# Altium PCB EIT_Teensy_PCBMain.PcbDoc (part 2 of 2)
Units mm, origin at the board's own origin, x right, y up, seen from the top; angles counter-clockwise.
Board outline 115 x 72 mm, 4 copper layers (Top Layer, GND Layer, PWR Layer, Bottom Layer), stack 0.603 mm thick; 122 components, 141 nets, 704 pads, 259 vias.
Unrouted connection lines stored in the file: 18.
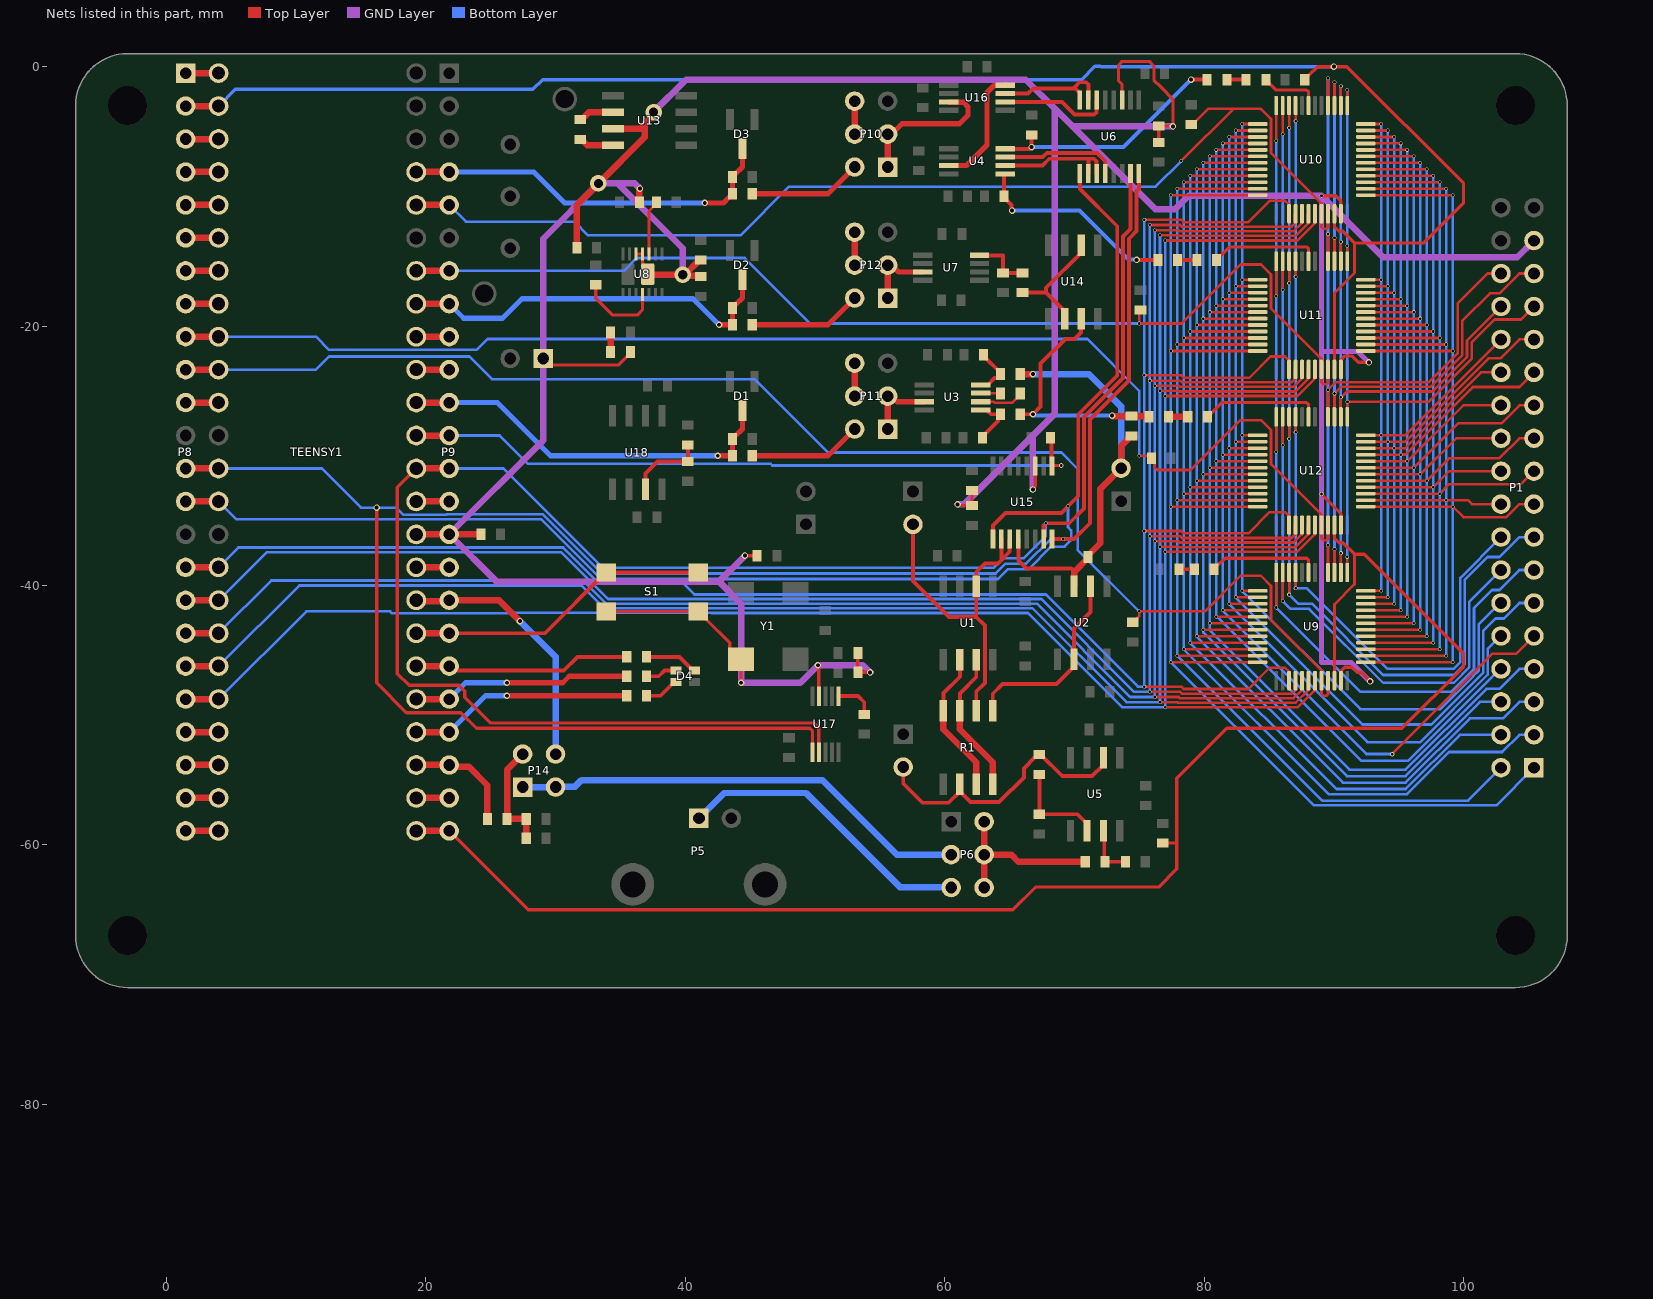
[diagram p4: the nets of this part, all layers, seen from the top]

## Via types
v1: diameter 0.28, hole 0.2, Top Layer to Bottom Layer, 106 vias
v2: diameter 0.5, hole 0.3, Top Layer to Bottom Layer, 76 vias
v3: diameter 0.28, hole 0.2, Top Layer to Bottom Layer, tented both sides, 52 vias
v4: diameter 0.35, hole 0.2, Top Layer to Bottom Layer, 14 vias
v5: diameter 1.27, hole 0.711, Top Layer to Bottom Layer, 10 vias
v6: diameter 0.35, hole 0.2, Top Layer to Bottom Layer, tented both sides, 1 vias

## Nets (pads, with @x,y where several pads share a name; then routed paths per layer and width w, separated by ;. In a path a pad name is that pad's centre, name@x,y a point inside that pad or via, vN(x,y) a via of type N, cw(c..) or ccw(c..) an arc to the next point about the centre after c; other vN are vias at no path point) (continued)
DigipotRShunt_NCS: P9.12 R3.1 TEENSY1.15 U15.9 | length 53.5
  Top Layer w0.2: U15.9@68.275,-30.781 68.306,-30.75 v4(69,-30.75)
  Top Layer w0.3: R3.1@68.248,-28.686 68.248,-30.753 U15.9@68.275,-30.781
  Top Layer w0.5: TEENSY1.15@19.26,-28.44 P9.12@21.8,-28.44
  Bottom Layer w0.2: P9.12@21.8,-28.44 25.69,-28.44 27.878,-30.628 46.588,-30.628 46.711,-30.75 v4(69,-30.75)
Electrode_1: P1.1 U9.12 U10.12 U11.12 U12.12 | length 96.6
  Top Layer w0.2: v1(77.43,-45.92) U9.12@84.13,-45.92 ; v1(77.43,-33.92) U12.12@84.13,-33.92 ; v1(77.43,-21.92) U11.12@84.13,-21.92 ; v1(77.43,-9.92) U10.12@84.13,-9.92
  Bottom Layer w0.2: v1(77.43,-9.92) v1(77.43,-21.92) v1(77.43,-33.92) v1(77.43,-45.92) 88.457,-56.947 102.533,-56.947 P1.1@105.43,-54.05
Electrode_2: P1.2 U9.11 U10.11 U11.11 U12.11 | length 91.4
  Top Layer w0.2: v1(77.93,-45.42) U9.11@84.13,-45.42 ; v1(77.93,-33.42) U12.11@84.13,-33.42 ; v1(77.93,-21.42) U11.11@84.13,-21.42 ; v1(77.93,-9.42) U10.11@84.13,-9.42
  Bottom Layer w0.2: v1(77.93,-9.42) v1(77.93,-45.42) 89.105,-56.595 100.345,-56.595 P1.2@102.89,-54.05
Electrode_3: P1.3 U9.10 U10.10 U11.10 U12.10 | length 92.3
  Top Layer w0.2: v1(78.43,-44.92) U9.10@84.13,-44.92 ; v1(78.43,-32.92) U12.10@84.13,-32.92 ; v1(78.43,-20.92) U11.10@84.13,-20.92 ; v1(78.43,-8.92) U10.10@84.13,-8.92
  Bottom Layer w0.2: v1(78.43,-8.92) v1(78.43,-44.92) 89.605,-56.095 95.642,-56.095 98.898,-52.839 102.979,-52.839 104.308,-51.51 P1.3@105.43,-51.51
Electrode_4: P1.4 U9.9 U10.9 U11.9 U12.9 | length 87.2
  Top Layer w0.2: v1(78.93,-44.42) U9.9@84.13,-44.42 ; v1(78.93,-32.42) U12.9@84.13,-32.42 ; v1(78.93,-20.42) U11.9@84.13,-20.42 ; v1(78.93,-8.42) U10.9@84.13,-8.42
  Bottom Layer w0.2: v1(78.93,-8.42) v1(78.93,-20.42) v1(78.93,-32.42) v1(78.93,-44.42) 90.205,-55.695 95.544,-55.695 99.729,-51.51 P1.4@102.89,-51.51
Electrode_5: P1.5 U9.8 U10.8 U11.8 U12.8 | length 88
  Top Layer w0.2: v1(79.43,-43.92) U9.8@84.13,-43.92 ; v1(79.43,-31.92) U12.8@84.13,-31.92 ; v1(79.43,-19.92) U11.8@84.13,-19.92 ; v1(79.43,-7.92) U10.8@84.13,-7.92
  Bottom Layer w0.2: v1(79.43,-7.92) v1(79.43,-43.92) 90.705,-55.195 95.545,-55.195 100.496,-50.244 103.033,-50.244 104.308,-48.97 P1.5@105.43,-48.97
Electrode_6: P1.6 U9.7 U10.7 U11.7 U12.7 | length 82.9
  Top Layer w0.2: v1(79.93,-43.42) U9.7@84.13,-43.42 ; v1(79.93,-31.42) U12.7@84.13,-31.42 ; v1(79.93,-19.42) U11.7@84.13,-19.42 ; v1(79.93,-7.42) U10.7@84.13,-7.42
  Bottom Layer w0.2: v1(79.93,-7.42) v1(79.93,-19.42) v1(79.93,-31.42) v1(79.93,-43.42) 79.936,-43.426 79.936,-43.636 91,-54.7 95.542,-54.7 101.272,-48.97 P1.6@102.89,-48.97
Electrode_7: P1.7 U9.6 U10.6 U11.6 U12.6 | length 84
  Top Layer w0.2: v1(80.43,-42.92) U9.6@84.13,-42.92 ; v1(80.43,-30.92) U12.6@84.13,-30.92 ; v1(80.43,-18.92) U11.6@84.13,-18.92 ; v1(80.43,-6.92) U10.6@84.13,-6.92
  Bottom Layer w0.2: v1(80.43,-6.92) v1(80.43,-18.92) v1(80.43,-30.92) 80.43,-43.434 84.763,-47.767 84.767,-47.767 91.2,-54.2 95.543,-54.2 101.776,-47.968 102.77,-47.968 104.308,-46.43 P1.7@105.43,-46.43
Electrode_8: P1.8 U9.5 U10.5 U11.5 U12.5 | length 78.3
  Top Layer w0.2: v1(80.93,-42.42) U9.5@84.13,-42.42 ; v1(80.93,-30.42) U12.5@84.13,-30.42 ; v1(80.93,-18.42) U11.5@84.13,-18.42 ; v1(80.93,-6.42) U10.5@84.13,-6.42
  Bottom Layer w0.2: v1(80.93,-6.42) v1(80.93,-42.42) 80.945,-42.435 81.035,-42.435 92.1,-53.5 95.745,-53.5 102.815,-46.43 P1.8@102.89,-46.43
Electrode_9: P1.9 U9.4 U10.4 U11.4 U12.4 | length 79.2
  Top Layer w0.2: v1(81.43,-41.92) U9.4@84.13,-41.92 ; v1(81.43,-29.92) U12.4@84.13,-29.92 ; v1(81.43,-17.92) U11.4@84.13,-17.92 ; v1(81.43,-5.92) U10.4@84.13,-5.92 ; v6(94.5,-53) 102.25,-45.25 104.07,-45.25 P1.9@105.43,-43.89
  Bottom Layer w0.2: v1(81.43,-5.92) v1(81.43,-17.92) v1(81.43,-29.92) v1(81.43,-41.92) 92.505,-52.995 94.495,-52.995 v6(94.5,-53)
Electrode_10: P1.10 U9.3 U10.3 U11.3 U12.3 | length 74.7
  Top Layer w0.2: v1(81.93,-41.42) U9.3@84.13,-41.42 ; v1(81.93,-29.42) U12.3@84.13,-29.42 ; v1(81.93,-17.42) U11.3@84.13,-17.42 ; v1(81.93,-5.42) U10.3@84.13,-5.42
  Bottom Layer w0.2: v1(81.93,-5.42) v1(81.93,-41.42) 92.59,-52.08 96.667,-52.08 101.864,-46.882 101.864,-44.916 P1.10@102.89,-43.89
Electrode_11: P1.11 U9.2 U10.2 U11.2 U12.2 | length 75.6
  Top Layer w0.2: v1(82.43,-40.92) U9.2@84.13,-40.92 ; v1(82.43,-28.92) U12.2@84.13,-28.92 ; v1(82.43,-16.92) U11.2@84.13,-16.92 ; v1(82.43,-4.92) U10.2@84.13,-4.92
  Bottom Layer w0.2: v1(82.43,-4.92) v1(82.43,-16.92) v1(82.43,-28.92) v1(82.43,-40.92) 92.23,-50.72 97.528,-50.72 101.512,-46.736 101.512,-43.5 102.463,-42.549 103.108,-42.549 104.308,-41.35 P1.11@105.43,-41.35
Electrode_12: P1.12 U9.1 U10.1 U11.1 U12.1 | length 70
  Top Layer w0.2: v1(82.93,-40.42) U9.1@84.13,-40.42 ; v1(82.93,-28.42) U12.1@84.13,-28.42 ; v1(82.93,-16.42) U11.1@84.13,-16.42 ; v1(82.93,-4.42) U10.1@84.13,-4.42
  Bottom Layer w0.2: v1(82.93,-4.42) v1(82.93,-16.42) v1(82.93,-28.42) v1(82.93,-40.42) 92.05,-49.54 98.21,-49.54 100.75,-47 100.75,-46.997 101.16,-46.587 101.16,-43 102.81,-41.35 P1.12@102.89,-41.35
Electrode_13: P1.13 U9.48 U10.48 U11.48 U12.48 | length 76
  Top Layer w0.2: v3(85.55,-41.7) U9.48@85.55,-39 ; v3(85.55,-29.7) U12.48@85.55,-27 ; v3(85.55,-17.7) U11.48@85.55,-15 ; v3(85.55,-5.7) U10.48@85.55,-3
  Bottom Layer w0.2: v3(85.55,-5.7) v3(85.55,-17.7) v3(85.55,-29.7) v3(85.55,-41.7) 92.03,-48.18 99.068,-48.18 100.807,-46.441 100.807,-41.75 102.21,-40.348 102.77,-40.348 104.308,-38.81 P1.13@105.43,-38.81
Electrode_14: P1.14 U9.47 U10.47 U11.47 U12.47 | length 70.8
  Top Layer w0.2: v3(86.05,-41.2) U9.47@86.05,-39 ; v3(86.05,-29.2) U12.47@86.05,-27 ; v3(86.05,-17.2) U11.47@86.05,-15 ; v3(86.05,-5.2) U10.47@86.05,-3
  Bottom Layer w0.2: v3(86.05,-5.2) v3(86.05,-17.2) v3(86.05,-29.2) v3(86.05,-41.2) 86.65,-41.8 88.1,-41.8 93.8,-47.5 99.25,-47.5 100.455,-46.295 100.455,-41.245 P1.14@102.89,-38.81
Electrode_15: P1.15 U9.46 U10.46 U11.46 U12.46 | length 72.5
  Top Layer w0.2: v3(86.55,-40.7) U9.46@86.55,-39 ; v3(86.55,-28.7) U12.46@86.55,-27 ; v3(86.55,-16.7) U11.46@86.55,-15 ; v3(86.55,-4.7) U10.46@86.55,-3
  Bottom Layer w0.2: v3(86.55,-4.7) v3(86.55,-16.7) v3(86.55,-28.7) v3(86.55,-40.7) 87.25,-41.4 88.3,-41.4 93.8,-46.9 99.262,-46.9 100.102,-46.06 100.102,-39.556 101.851,-37.808 102.77,-37.808 104.308,-36.27 P1.15@105.43,-36.27
Electrode_16: P1.16 U9.45 U10.45 U11.45 U12.45 | length 67.2
  Top Layer w0.2: v3(87.05,-40.2) U9.45@87.05,-39 ; v3(87.05,-28.2) U12.45@87.05,-27 ; v3(87.05,-16.2) U11.45@87.05,-15 ; v3(87.05,-4.2) U10.45@87.05,-3
  Bottom Layer w0.2: v3(87.05,-4.2) v3(87.05,-16.2) v3(87.05,-28.2) v3(87.05,-40.2) 87.9,-40.2 94.114,-46.414 99.25,-46.414 99.75,-45.914 99.75,-39.41 P1.16@102.89,-36.27
Electrode_17: P1.17 U9.25 U10.25 U11.25 U12.25 | length 69.8
  Top Layer w0.2: U9.25@92.47,-45.92 v3(99.17,-45.92) ; U12.25@92.47,-33.92 v3(99.17,-33.92) 99.982,-34.732 103.305,-34.732 104.308,-33.73 P1.17@105.43,-33.73 ; U11.25@92.47,-21.92 v3(99.17,-21.92) ; U10.25@92.47,-9.92 v1(99.17,-9.92)
  Bottom Layer w0.2: v3(99.17,-45.92) v3(99.17,-33.92) v3(99.17,-21.92) v1(99.17,-9.92)
Electrode_18: P1.18 U9.26 U10.26 U11.26 U12.26 | length 65.1
  Top Layer w0.2: U9.26@92.47,-45.42 98.656,-45.42 v3(98.67,-45.406) ; U12.26@92.47,-33.42 v3(98.67,-33.42) 100.336,-33.42 100.646,-33.73 P1.18@102.89,-33.73 ; U11.26@92.47,-21.42 v3(98.67,-21.42) ; U10.26@92.47,-9.42 v1(98.67,-9.42)
  Bottom Layer w0.2: v3(98.67,-45.406) v3(98.67,-33.42) v3(98.67,-21.42) v1(98.67,-9.42)
Electrode_19: P1.19 U9.27 U10.27 U11.27 U12.27 | length 66.8
  Top Layer w0.2: U9.27@92.47,-44.92 v3(98.17,-44.92) ; U12.27@92.47,-32.92 v3(98.17,-32.92) 98.898,-32.192 104.428,-32.192 P1.19@105.43,-31.19 ; U11.27@92.47,-20.92 v3(98.17,-20.92) ; U10.27@92.47,-8.92 v1(98.17,-8.92)
  Bottom Layer w0.2: v3(98.17,-44.92) v3(98.17,-32.92) v3(98.17,-20.92) v1(98.17,-8.92)
Electrode_20: P1.20 U9.28 U10.28 U11.28 U12.28 | length 62.6
  Top Layer w0.2: U9.28@92.47,-44.42 v3(97.67,-44.42) v3@97.692,-44.42 ; U12.28@92.47,-32.42 v3(97.67,-32.42) 98.9,-31.19 P1.20@102.89,-31.19 ; U11.28@92.47,-20.42 v3(97.67,-20.42) ; U10.28@92.47,-8.42 v1(97.67,-8.42)
  Bottom Layer w0.2: v3(97.67,-44.42) v3(97.67,-32.42) v3(97.67,-20.42) v1(97.67,-8.42)
Electrode_21: P1.21 U9.29 U10.29 U11.29 U12.29 | length 64.4
  Top Layer w0.2: U9.29@92.47,-43.92 v3(97.17,-43.92) v3@97.185,-43.905 ; U12.29@92.47,-31.92 v3(97.17,-31.92) 98.902,-30.188 102.77,-30.188 104.308,-28.65 P1.21@105.43,-28.65 ; U11.29@92.47,-19.92 v3(97.17,-19.92) ; U10.29@92.47,-7.92 v1(97.17,-7.92)
  Bottom Layer w0.2: v3(97.17,-43.92) v1(97.17,-7.92)
Electrode_22: P1.22 U9.30 U10.30 U11.30 U12.30 | length 60.2
  Top Layer w0.2: U9.30@92.47,-43.42 v3(96.67,-43.42) v3@96.685,-43.405 ; U12.30@92.47,-31.42 v3(96.67,-31.42) 99.44,-28.65 P1.22@102.89,-28.65 ; U11.30@92.47,-19.42 v3(96.67,-19.42) ; U10.30@92.47,-7.42 v1(96.67,-7.42)
  Bottom Layer w0.2: v3(96.67,-43.42) v3(96.67,-31.42) v3(96.67,-19.42) v1(96.67,-7.42)
Electrode_23: P1.23 U9.31 U10.31 U11.31 U12.31 | length 62.1
  Top Layer w0.2: U9.31@92.47,-42.92 v3(96.17,-42.92) ; U12.31@92.47,-30.92 v3(96.17,-30.92) 99.59,-27.5 102.918,-27.5 104.308,-26.11 P1.23@105.43,-26.11 ; U11.31@92.47,-18.92 v3(96.17,-18.92) ; U10.31@92.47,-6.92 v1(96.17,-6.92)
  Bottom Layer w0.2: v3(96.17,-42.92) v3(96.17,-30.92) v3(96.17,-18.92) v1(96.17,-6.92)
Electrode_24: P1.24 U9.32 U10.32 U11.32 U12.32 | length 57.8
  Top Layer w0.2: U9.32@92.47,-42.42 v3(95.67,-42.42) ; U12.32@92.47,-30.42 v3(95.67,-30.42) 99.98,-26.11 P1.24@102.89,-26.11 ; U11.32@92.47,-18.42 v3(95.67,-18.42) ; U10.32@92.47,-6.42 v1(95.67,-6.42)
  Bottom Layer w0.2: v3(95.67,-42.42) v1(95.67,-6.42)
Electrode_25: P1.25 U9.33 U10.33 U11.33 U12.33 | length 59.7
  Top Layer w0.2: U9.33@92.47,-41.92 v3(95.17,-41.92) ; U12.33@92.47,-29.92 v3(95.17,-29.92) 95.185,-29.905 95.51,-29.905 100.714,-24.701 104.299,-24.701 P1.25@105.43,-23.57 ; U11.33@92.47,-17.92 v3(95.17,-17.92) ; U10.33@92.47,-5.92 v1(95.17,-5.92)
  Bottom Layer w0.2: v3(95.17,-41.92) v3(95.17,-29.92) v3(95.17,-17.92) v1(95.17,-5.92)
Electrode_26: P1.26 U9.34 U10.34 U11.34 U12.34 | length 55.4
  Top Layer w0.2: U9.34@92.47,-41.42 v3(94.67,-41.42) ; U12.34@92.47,-29.42 v3(94.67,-29.42) 95.497,-29.42 101.347,-23.57 P1.26@102.89,-23.57 ; U11.34@92.47,-17.42 v3(94.67,-17.42) ; U10.34@92.47,-5.42 v1(94.67,-5.42)
  Bottom Layer w0.2: v3(94.67,-41.42) v1(94.67,-5.42)
Electrode_27: P1.27 U9.35 U10.35 U11.35 U12.35 | length 57.3
  Top Layer w0.2: U9.35@92.47,-40.92 v3(94.17,-40.92) ; U12.35@92.47,-28.92 v3(94.17,-28.92) 95.498,-28.92 101.924,-22.494 102.844,-22.494 104.308,-21.03 P1.27@105.43,-21.03 ; U11.35@92.47,-16.92 v3(94.17,-16.92) ; U10.35@92.47,-4.92 v1(94.17,-4.92)
  Bottom Layer w0.2: v3(94.17,-40.92) v3(94.17,-28.92) v3(94.17,-16.92) v1(94.17,-4.92)
Electrode_28: P1.28 U9.36 U10.36 U11.36 U12.36 | length 53.1
  Top Layer w0.2: U9.36@92.47,-40.42 v3(93.67,-40.42) ; U12.36@92.47,-28.42 v3(93.67,-28.42) 95.5,-28.42 P1.28@102.89,-21.03 ; U11.36@92.47,-16.42 v3(93.67,-16.42) ; U10.36@92.47,-4.42 v1(93.67,-4.42)
  Bottom Layer w0.2: v3(93.67,-40.42) v3(93.67,-28.42) v3(93.67,-16.42) v1(93.67,-4.42)
Electrode_29: P1.29 U9.37 U10.37 U11.37 U12.37 | length 58.9
  Top Layer w0.2: U9.37@91.05,-39 v1(91.05,-37.8) ; U12.37@91.05,-27 v1@91.05,-25.841 ; U11.37@91.05,-15 v1(91.05,-13.8) ; U10.37@91.05,-3 v1(91.05,-1.8) ; v1(91.056,-25.841) 97.299,-25.841 100.62,-22.52 100.62,-21.259 102.386,-19.492 104.428,-19.492 P1.29@105.43,-18.49
  Bottom Layer w0.2: v1(91.05,-37.8) v1(91.05,-13.8) v1(91.05,-1.8)
Electrode_30: P1.30 U9.38 U10.38 U11.38 U12.38 | length 58
  Top Layer w0.2: U9.38@90.55,-39 v1(90.55,-37.5) ; U12.38@90.55,-27 v1(90.55,-25.5) 91.008,-25.042 97.599,-25.042 100.267,-22.374 100.267,-21.113 P1.30@102.89,-18.49 ; U11.38@90.55,-15 v1(90.55,-13.5) ; U10.38@90.55,-3 v1(90.55,-1.5)
  Bottom Layer w0.2: v1(90.55,-37.5) v1(90.55,-25.5) v1(90.55,-13.5) v1(90.55,-1.5)
Electrode_31: P1.31 U9.39 U10.39 U11.39 U12.39 | length 64
  Top Layer w0.2: U9.39@90.05,-39 v1(90.05,-37.2) ; U12.39@90.05,-27 v1(90.05,-25.2) 90.058,-25.2 90.568,-24.69 97.453,-24.69 99.915,-22.229 99.915,-19.585 102.026,-17.474 102.783,-17.474 104.308,-15.95 P1.31@105.43,-15.95 ; U11.39@90.05,-15 v1(90.05,-13.2) ; U10.39@90.05,-3 v1(90.05,-1.2)
  Bottom Layer w0.2: v1(90.05,-37.2) v1(90.05,-25.2) v1(90.05,-13.2) v1(90.05,-1.2)
Electrode_32: P1.32 U9.40 U10.40 U11.40 U12.40 | length 63.7
  Top Layer w0.2: U9.40@89.55,-39 v1(89.55,-36.9) ; U12.40@89.55,-27 v1(89.55,-24.9) 90.113,-24.337 97.308,-24.337 99.562,-22.083 99.562,-18.238 101.85,-15.95 P1.32@102.89,-15.95 ; U11.40@89.55,-15 v1(89.55,-12.9) ; U10.40@89.55,-3 v1(89.55,-0.9)
  Bottom Layer w0.2: v1(89.55,-36.9) v1(89.55,-24.9) v1(89.55,-12.9) v1(89.55,-0.9)
GND: C1.1 C10.1 C13.1 C16.2 C17.1 C18.1 C22.2 C23.2 C36.1 C43.1 C44.1 D5.2 FB1.2 P1.33 P8.1 P9.15 P13.1 S1.1 S1.2 TEENSY1.GND1 TEENSY1.GND2 U6.11 U8.4 U8.5 U8.15 U9.23 U10.23 U11.23 U12.23 U13.3 U15.11 U17.4 Y1.2 | length 342.4
  Top Layer w0.254: P13.1@29.04,-22.5 29.54,-23 34.862,-23 35.762,-22.1 D5.2@35.762,-22 ; S1.1@33.9,-42 S1.2@41,-42 41.05,-42 41.623,-42.573 41.623,-42.623 43.427,-44.427 43.427,-44.927 44.2,-45.7 Y1.2@44.3,-45.7 v2(44.3,-47.5) ; U8.5@36.2,-14.45 U8.4@36.7,-14.45 ; v2(44.6,-37.7) C16.2@45.538,-37.7 ; v2(50.225,-46.15) 50.225,-46.217 50.3,-46.292 U17.4@50.3,-48.528 ; C17.1@53.3,-45.2 C18.1@53.3,-46.7 v2(54.25,-46.7) ; v2(61,-33.75) 61.067,-33.75 61.155,-33.838 C1.1@62.1,-33.838 C43.1@62.1,-32.662 ; v2(66.8,-32.6) 66.8,-32.533 66.975,-32.358 U15.11@66.975,-30.781 ; U6.11@73.675,-2.581 73.675,-1.375 73.4,-1.1 73.4,0.1 73.7,0.4 75.781,0.4 76.129,0.051 76.129,-1.029 76.7,-1.6 77.6,-2.5 v2(77.6,-4.6) 77.581,-4.581 76.519,-4.581 C44.1@76.5,-4.562 ; C36.1@76.5,-5.838 C44.1@76.5,-4.562 ; C44.1@76.6,-4.562 C44.1@76.5,-4.562 ; v1(89.05,-32.95) 90.55,-34.45 U12.23@90.55,-35.34 ; v1(89.05,-9.95) 90.15,-9.95 90.55,-10.35 U10.23@90.55,-11.34 ; U9.23@90.537,-47.353 U9.23@90.55,-47.34 90.563,-47.327 90.563,-46.588 90.851,-46.3 91.4,-46.3 91.8,-46.7 92.1,-46.7 v2(92.8,-47.4) ; U11.23@90.55,-23.34 90.563,-23.327 90.563,-22.588 90.851,-22.3 91.4,-22.3 91.9,-22.8 v2(92.7,-22.8)
  Top Layer w0.5: P8.1@1.48,-0.5 TEENSY1.GND1@4.02,-0.5 ; TEENSY1.GND2@19.26,-36.06 P9.15@21.8,-36.06 FB1.2@24.238,-36.06 ; C23.2@31.638,-13.95 31.638,-10.662 v5(33.3,-9) 36.863,-5.437 36.863,-4.418 ; U13.3@34.429,-4.789 34.446,-4.771 36.51,-4.771 36.863,-4.418 ; C22.2@36.462,-10.45 36.462,-9.438 v2(36.5,-9.4) ; v5(37.554,-3.504) 37.554,-3.712 36.863,-4.404 36.863,-4.418 ; U8.15@37.6,-16.05 v5(39.8,-16.05) ; C10.1@41.2,-16.188 41.131,-16.119 39.869,-16.119 v5(39.8,-16.05) ; C13.1@41.2,-14.912 41.1,-14.912 39.962,-16.05 v5(39.8,-16.05)
  GND Layer w0.4: v1(89.05,-9.95) 89.05,-21.95 ; v2(92.7,-22.8) 91.85,-21.95 89.05,-21.95 ; v2(92.8,-47.4) 91.35,-45.95 89.05,-45.95 v1(89.05,-32.95) 89.05,-21.95
  GND Layer w0.5: v2(36.5,-9.4) 36.1,-9 34.8,-9 ; v5(37.554,-3.504) 40.058,-1 66.25,-1 68.5,-3.25 ; v5(39.8,-16.05) 39.8,-14 34.8,-9 ; v2(44.6,-37.7) 42.6,-39.7 ; v2(54.25,-46.7) 53.7,-46.15 v2(50.225,-46.15) 48.875,-47.5 v2(44.3,-47.5) 44.3,-41.4 42.6,-39.7 ; v2(61,-33.75) 61.488,-33.75 66.8,-28.438 ; v2(66.8,-32.6) 66.8,-28.438 ; v2(77.6,-4.6) 69.85,-4.6 ; P1.33@105.43,-13.41 104.14,-14.7 93.8,-14.7 v1(89.05,-9.95) 78.8,-9.95 77.75,-11 76.25,-11 69.85,-4.6 ; 34.8,-9 v5(33.3,-9) 29.04,-13.26 P13.1@29.04,-22.5 29.04,-28.82 P9.15@21.8,-36.06 25.44,-39.7 42.6,-39.7 ; 66.8,-28.438 68.5,-26.738 68.5,-3.25 ; 68.5,-3.25 69.85,-4.6
IMeasure_Buffered: P11.1 P11.3 U3.7 | length 5.5
  Top Layer w0.4: P11.3@55.6,-25.4 55.898,-25.4 56.328,-25.83 U3.7@58.416,-25.83
  Top Layer w0.5: P11.1@55.6,-27.94 P11.3@55.6,-25.4
IMeasure_Clipped: C2.1 D1.3 P9.11 R5.2 TEENSY1.16 | length 29.6
  Top Layer w0.4: v2(42.5,-30) R5.2@43.638,-30 C2.1@43.638,-28.7 ; C2.1@43.788,-28.45 43.88,-28.45 44.4,-27.93 D1.3@44.4,-26.518
  Top Layer w0.5: TEENSY1.16@19.26,-25.9 P9.11@21.8,-25.9
  Bottom Layer w0.4: P9.11@21.8,-25.9 25.5,-25.9 29.6,-30 v2(42.5,-30)
IMeasure_External: P11.4 P11.6 | length 2.5
  Top Layer w0.5: P11.4@53.06,-25.4 P11.6@53.06,-22.86
IMeasure_Teensy: P11.2 R5.1 | length 9
  Top Layer w0.4: R5.1@45.162,-30 51,-30 P11.2@53.06,-27.94 P11.2@52.762,-27.94
Input_Sense+: C39.2 U10.43 | length 4.7
  Top Layer w0.254: C39.2@84.762,-1 85.562,-1.8 87.901,-1.8 88.05,-1.949 U10.43@88.05,-3
Input_Sense-: C40.2 U11.43 | length 8.6
  Top Layer w0.254: C40.2@80.962,-14.9 80.962,-14.8 81.185,-14.577 81.285,-14.577 81.962,-13.9 87.901,-13.9 88.05,-14.049 U11.43@88.05,-15
LED_Blue: P9.19 R10.1 TEENSY1.38 | length 16.8
  Top Layer w0.3: P9.19@21.8,-46.22 22.125,-46.22 22.457,-46.552 30.628,-46.552 31.681,-45.5 R10.1@35.488,-45.5
  Top Layer w0.5: TEENSY1.38@19.26,-46.22 P9.19@21.8,-46.22
LED_Green: P9.20 R29.1 TEENSY1.37 | length 17
  Top Layer w0.254: P9.20@21.8,-48.76 P9.20@21.86,-48.7
  Top Layer w0.4: v2(26.25,-47.5) 30.558,-47.5 31.058,-47 R29.1@35.488,-47
  Top Layer w0.5: TEENSY1.37@19.26,-48.76 P9.20@21.8,-48.76
  Bottom Layer w0.4: P9.20@21.8,-48.76 23.06,-47.5 v2(26.25,-47.5)
LED_Red: P9.21 R30.1 TEENSY1.36 | length 17.4
  Top Layer w0.4: v2(26.25,-48.5) R30.1@35.488,-48.5
  Top Layer w0.5: TEENSY1.36@19.26,-51.3 P9.21@21.8,-51.3
  Bottom Layer w0.4: P9.21@21.8,-51.3 24.6,-48.5 v2(26.25,-48.5)
MuxEnable_In: P8.2 R2.1 TEENSY1.0 U10.22 U11.22 | length 130.9
  Top Layer w0.2: 90.05,-21.6 90.05,-17.45 91.6,-15.9
  Top Layer w0.254: R2.1@87.762,-1 87.762,-0.9 87.985,-0.677 88.085,-0.677 88.762,0 v2(90,0) 91,0 100,-9 100,-10.5 96.9,-13.6 91.6,-13.6 ; U11.22@90.05,-23.34 90.05,-21.6 ; U10.22@90.05,-11.34 90.05,-12.35 90.4,-12.7 90.7,-12.7 91.6,-13.6 ; 91.6,-15.9 91.6,-13.6
  Top Layer w0.5: P8.2@1.48,-3.04 TEENSY1.0@4.02,-3.04
  Bottom Layer w0.254: TEENSY1.0@4.02,-3.04 5.31,-1.75 28.25,-1.75 29,-1 70.551,-1 71.581,0.029 72.019,0.029 72.049,0 v2(90,0)
MuxEnable_Out: P9.24 R13.1 TEENSY1.33 U9.22 U12.22 | length 122.3
  Top Layer w0.2: U9.22@90.05,-47.34 90.05,-41.45 91.6,-39.9
  Top Layer w0.254: P9.24@21.8,-58.92 27.88,-65 65.25,-65 67,-63.25 76.5,-63.25 77.9,-61.85 77.9,-59.9 ; R13.1@76.8,-59.862 77.862,-59.862 77.9,-59.9 ; U12.22@90.05,-35.34 90.05,-36.35 90.4,-36.7 90.7,-36.7 91.6,-37.6 ; 91.6,-39.9 91.6,-37.6 ; 77.9,-59.9 77.9,-54.85 81.75,-51 95.25,-51 100,-46.25 100,-45.25 92.35,-37.6 91.6,-37.6